# KiCad board DFTBoard.kicad_pcb (continued)
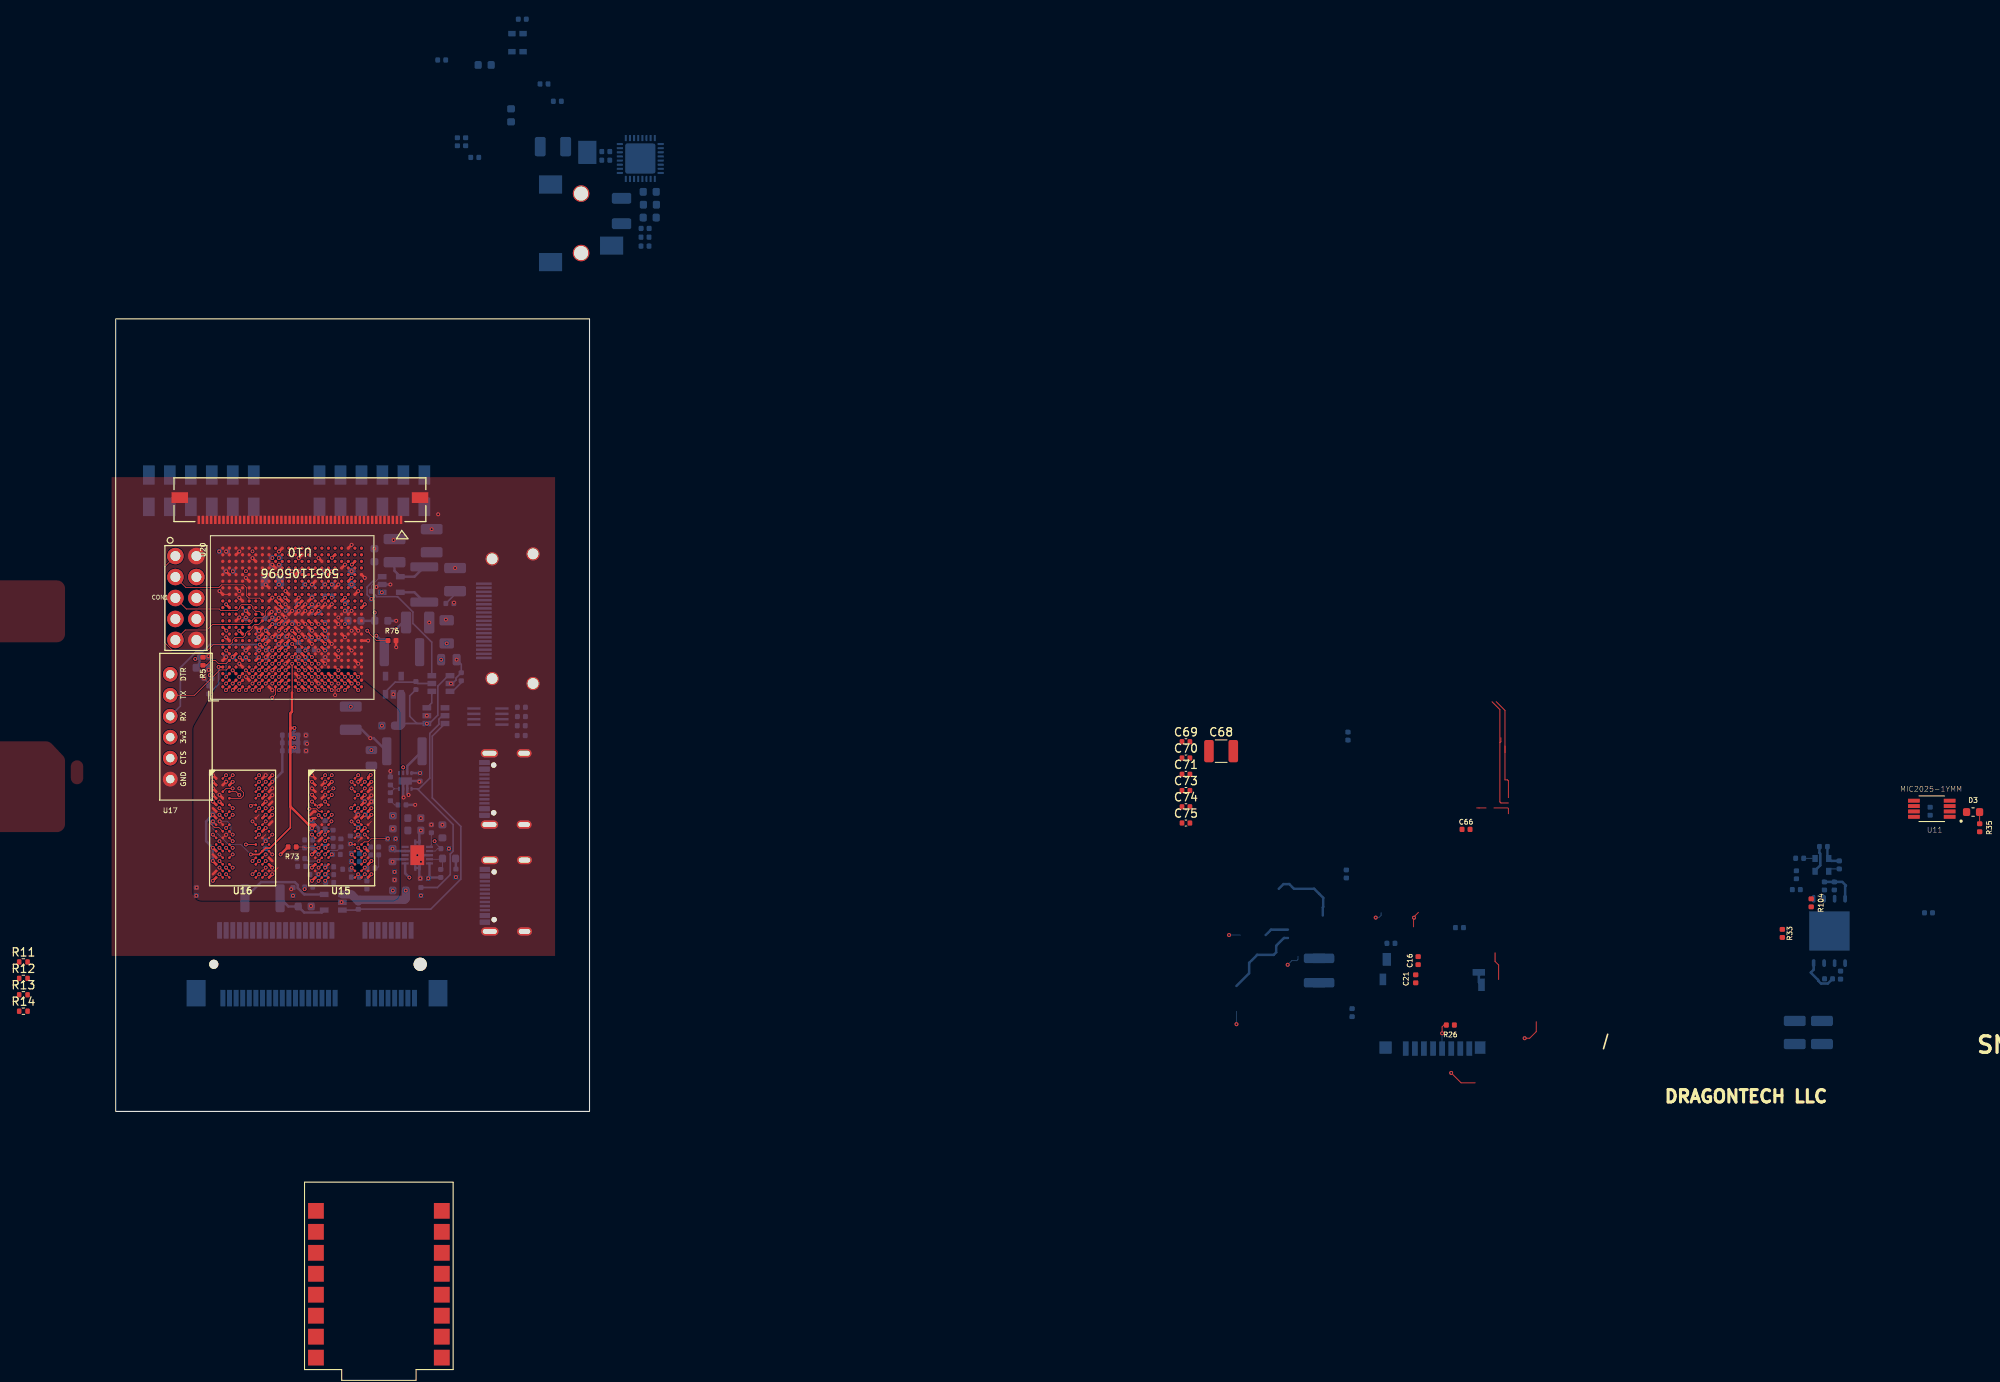
[diagram p0: board, top side]
## Routing (per net, layer and track width the routed paths; a pad name or vN(x,y) marks a point on that pad's centre or on a via; arc(x,y) is an arc through that point) (continued)
DDR3_DQ16: length 18.8
  TOP w0.102: U15.E3 v1(25.37,37.53)
  TOP w0.13: U20.T3 v1(25.37,52.63)
  Signal1 w0.102: v1(25.37,52.63) 24.97,52.23 24.97,50.73 24.72,50.48 24.72,50.38 24.71,50.35 24.7,50.32 24.69,50.29 24.66,50.27 24.64,50.25 24.61,50.24 24.58,50.24 24.56,50.24 24.53,50.23 24.5,50.22 24.47,50.21 24.45,50.18 24.43,50.16 24.42,50.13 24.42,50.1 24.42,49.98 24.42,49.95 24.43,49.92 24.45,49.89 24.47,49.87 24.5,49.85 24.53,49.84 24.56,49.84 24.93,49.84 24.96,49.83 24.99,49.82 25.01,49.81 25.04,49.78 25.05,49.76 25.06,49.73 25.07,49.7 25.07,49.58 25.06,49.55 25.05,49.52 25.04,49.49 25.01,49.47 24.99,49.45 24.96,49.44 24.93,49.44 24.56,49.44 24.53,49.43 24.5,49.42 24.47,49.41 24.45,49.38 24.43,49.36 24.42,49.33 24.42,49.3 24.42,49.18 24.42,49.15 24.43,49.12 24.45,49.09 24.47,49.07 24.5,49.05 24.53,49.04 24.56,49.04 24.93,49.04 24.96,49.03 24.99,49.02 25.01,49.01 25.04,48.98 25.05,48.96 25.06,48.93 25.07,48.9 25.07,48.78 25.06,48.75 25.05,48.72 25.04,48.69 25.01,48.67 24.99,48.65 24.96,48.64 24.93,48.64 24.86,48.64 24.83,48.63 24.8,48.62 24.77,48.61 24.75,48.58 24.73,48.56 24.72,48.53 24.72,48.5 24.72,41.18 24.66,41.12 24.66,38.24 v1(25.37,37.53)
DDR3_DQ17: length 19.5
  TOP w0.102: U15.F7 v1(29.37,36.73)
  TOP w0.13: U20.T1 v1(25.37,51.03)
  Signal1 w0.102: v1(25.37,51.03) 25.37,48.58 25.36,48.55 25.35,48.52 25.34,48.49 25.32,48.47 25.29,48.46 25.26,48.45 25.2,48.44 25.17,48.43 25.15,48.41 25.13,48.39 25.11,48.37 25.1,48.34 25.1,48.31 25.1,48.18 25.1,48.15 25.11,48.12 25.13,48.09 25.15,48.07 25.17,48.06 25.2,48.05 25.26,48.04 25.29,48.03 25.32,48.01 25.34,47.99 25.35,47.97 25.36,47.94 25.37,47.91 25.37,47.78 25.36,47.75 25.35,47.72 25.34,47.69 25.32,47.67 25.29,47.66 25.26,47.65 25.2,47.64 25.17,47.63 25.15,47.61 25.13,47.59 25.11,47.57 25.1,47.54 25.1,47.51 25.1,47.38 25.1,47.35 25.11,47.32 25.13,47.29 25.15,47.27 25.17,47.26 25.2,47.25 25.26,47.24 25.29,47.23 25.32,47.21 25.34,47.19 25.35,47.17 25.36,47.14 25.37,47.11 25.37,41.33 24.97,40.93 24.97,38.93 25.17,38.73 27.71,38.73 29.37,37.07 v1(29.37,36.73)
DDR3_DQ18: length 22
  TOP w0.102: U15.F2 24.64,36.33 24.32,36.65 24.01,36.65 24.01,36.65 v1(23.44,36.65) ; U20.M1 v1(22.17,51.03)
  Signal2 w0.102: v1(22.17,51.03) 22.17,50.08 22.63,49.62 22.63,39.14 22.77,39 22.8,38.98 22.83,38.97 22.86,38.97 22.92,38.97 22.95,38.96 22.98,38.95 23,38.94 23.03,38.91 23.04,38.89 23.05,38.86 23.06,38.83 23.06,38.71 23.05,38.68 23.04,38.65 23.03,38.62 23,38.6 22.98,38.58 22.95,38.57 22.92,38.57 22.52,38.57 22.49,38.56 22.46,38.55 22.43,38.54 22.41,38.51 22.39,38.49 22.38,38.46 22.38,38.43 22.38,38.31 22.38,38.28 22.39,38.25 22.41,38.22 22.43,38.2 22.46,38.18 22.49,38.17 22.52,38.17 22.92,38.17 22.95,38.16 22.98,38.15 23,38.14 23.03,38.11 23.04,38.09 23.05,38.06 23.06,38.03 23.06,37.91 23.05,37.88 23.04,37.85 23.03,37.82 23,37.8 22.98,37.78 22.95,37.77 22.92,37.77 22.52,37.77 22.49,37.76 22.46,37.75 22.43,37.74 22.41,37.71 22.39,37.69 22.38,37.66 22.38,37.63 22.38,37.51 22.38,37.48 22.39,37.45 22.41,37.42 22.43,37.4 22.46,37.38 22.49,37.37 22.52,37.37 22.97,37.37 23,37.36 23.03,37.35 23.05,37.34 23.08,37.31 23.09,37.29 23.1,37.26 23.11,37.23 23.11,37.11 23.1,37.08 23.09,37.05 23.08,37.02 23.05,37 23.03,36.98 23,36.97 22.97,36.97 22.86,36.97 22.83,36.96 22.8,36.95 22.77,36.94 22.75,36.91 22.73,36.89 22.72,36.86 22.72,36.83 22.72,35.78 22.82,35.68 23.07,35.68 23.17,35.78 23.17,36.38 v1(23.44,36.65)
DDR3_DQ19: length 19
  TOP w0.102: U15.F8 v1(30.17,36.73)
  TOP w0.13: U20.T2 v1(25.37,51.83)
  Signal2 w0.102: v1(30.17,36.73) 29.15,37.36 26.32,38.73 26.07,38.78 25.92,38.93 25.77,39.68 25.77,40.73 25.77,40.73 25.77,50.17 25.76,50.18 25.76,51.43 v1(25.37,51.83)
DDR3_DQ20: length 24.1
  TOP w0.102: U15.H3 26.13,35.09
  TOP w0.13: U20.M2 v1(22.17,51.83)
  Signal2 w0.102: v1(26.13,35.13) 26.13,35.09 U15.H3 23.37,34.73 22.07,36.03 22.07,47.75 22.06,47.78 22.05,47.81 22.04,47.83 22.01,47.86 21.99,47.87 21.96,47.88 21.93,47.89 21.72,47.89 21.69,47.89 21.66,47.9 21.63,47.92 21.61,47.94 21.59,47.97 21.58,48 21.58,48.03 21.58,48.15 21.58,48.18 21.59,48.21 21.61,48.23 21.63,48.26 21.66,48.27 21.69,48.28 21.72,48.29 22.27,48.29 22.3,48.29 22.33,48.3 22.35,48.32 22.38,48.34 22.39,48.37 22.4,48.4 22.41,48.43 22.41,48.55 22.4,48.58 22.39,48.61 22.38,48.63 22.35,48.66 22.33,48.67 22.3,48.68 22.27,48.69 21.72,48.69 21.69,48.69 21.66,48.7 21.63,48.72 21.61,48.74 21.59,48.77 21.58,48.8 21.58,48.83 21.58,48.95 21.58,48.98 21.59,49.01 21.61,49.03 21.63,49.06 21.66,49.07 21.69,49.08 21.72,49.09 21.93,49.09 21.96,49.09 21.99,49.1 22.01,49.12 22.04,49.14 22.05,49.17 22.06,49.2 22.07,49.23 22.07,49.58 21.77,49.87 21.77,51.43 v1(22.17,51.83)
DDR3_DQ21: length 21.5
  TOP w0.102: U15.H8 v1(29.37,35.13)
  TOP w0.13: U20.R1 v1(24.57,51.03)
  Signal1 w0.102: v1(29.37,35.13) 28.97,35.53 28.97,36.86 28.71,37.12 28.33,37.12 28.29,37.08 25.22,37.08 24.17,38.13 24.17,38.56 24.16,38.57 24.16,50.62 v1(24.57,51.03)
DDR3_DQ22: length 23.6
  TOP w0.102: v1(24.57,35.88) 24.92,35.53
  TOP w0.13: U20.N3 v1(22.97,52.63)
  Signal2 w0.102: v1(24.57,35.88) 24.91,35.53 25.28,35.53 25.4,35.42 25.4,35.17 25.26,35.03 24.32,35.03 24.06,35.28 24.06,36.02 23.91,36.16 23.91,36.77 23.36,37.32 23.36,41.6 23.66,41.9 23.66,45.48 23.32,45.82 23.32,48 23.31,48.03 23.3,48.06 23.29,48.08 23.26,48.11 23.24,48.12 23.21,48.13 23.18,48.14 23.16,48.14 23.13,48.14 23.1,48.15 23.08,48.17 23.05,48.19 23.04,48.22 23.03,48.25 23.02,48.28 23.02,48.4 23.03,48.43 23.04,48.46 23.05,48.48 23.08,48.51 23.1,48.52 23.13,48.53 23.16,48.54 23.52,48.54 23.55,48.54 23.58,48.55 23.61,48.57 23.63,48.59 23.65,48.62 23.66,48.65 23.66,48.68 23.66,48.8 23.66,48.83 23.65,48.86 23.63,48.88 23.61,48.91 23.58,48.92 23.55,48.93 23.52,48.94 23.16,48.94 23.13,48.94 23.1,48.95 23.08,48.97 23.05,48.99 23.04,49.02 23.03,49.05 23.02,49.08 23.02,49.2 23.03,49.23 23.04,49.26 23.05,49.28 23.08,49.31 23.1,49.32 23.13,49.33 23.16,49.34 23.18,49.34 23.21,49.34 23.24,49.35 23.26,49.37 23.29,49.39 23.3,49.42 23.31,49.45 23.32,49.48 23.32,49.93 22.57,50.68 22.57,52.23 v1(22.97,52.63)
DDR3_DQ23: length 23
  TOP w0.102: 28.95,34.73 v1(28.56,35.12)
  TOP w0.13: U20.R3 v1(24.57,52.63)
  Signal2 w0.102: v1(28.56,35.12) 28.56,35.72 26.35,37.93 25.99,37.93 25.77,38.15 25.77,38.52 25.49,38.8 25.19,38.8 24.96,39.03 24.96,48.35 24.96,48.39 24.95,48.42 24.93,48.44 24.91,48.46 24.88,48.48 24.85,48.49 24.82,48.49 24.65,48.49 24.62,48.5 24.59,48.51 24.56,48.53 24.54,48.55 24.52,48.57 24.51,48.6 24.51,48.63 24.51,48.75 24.51,48.79 24.52,48.82 24.54,48.84 24.56,48.86 24.59,48.88 24.62,48.89 24.65,48.89 25.32,48.89 25.35,48.9 25.38,48.91 25.41,48.93 25.43,48.95 25.45,48.97 25.46,49 25.46,49.03 25.46,49.15 25.46,49.19 25.45,49.22 25.43,49.24 25.41,49.26 25.38,49.28 25.35,49.29 25.32,49.29 24.65,49.29 24.62,49.3 24.59,49.31 24.56,49.33 24.54,49.35 24.52,49.37 24.51,49.4 24.51,49.43 24.51,49.55 24.51,49.59 24.52,49.62 24.54,49.64 24.56,49.66 24.59,49.68 24.62,49.69 24.65,49.69 24.82,49.69 24.85,49.7 24.88,49.71 24.91,49.73 24.93,49.75 24.95,49.77 24.96,49.8 24.96,49.83 24.96,52.23 v1(24.57,52.63)
DDR3_DQ24: length 17.3
  TOP w0.102: U15.D7 v1(29.37,38.33)
  TOP w0.13: U20.AA3 v1(29.37,52.63)
  Signal3 w0.102: v1(29.37,52.63) 29.76,52.23 29.76,51.93 29.77,51.93 29.77,50.28 29.76,50.23 29.75,50.19 29.72,50.15 29.69,50.12 29.65,50.09 29.61,50.08 29.52,50.07 29.48,50.05 29.44,50.03 29.4,50 29.38,49.96 29.36,49.91 29.36,49.87 29.36,49.78 29.36,49.73 29.38,49.69 29.4,49.65 29.44,49.62 29.48,49.59 29.52,49.58 29.61,49.57 29.65,49.55 29.69,49.53 29.72,49.5 29.75,49.46 29.76,49.41 29.77,49.37 29.77,41.13 30.57,40.33 30.57,38.9 30.39,38.73 29.77,38.73 v1(29.37,38.33)
DDR3_DQ25: length 20.8
  TOP w0.102: U15.C3 v1(26.37,39.13)
  TOP w0.13: U20.Y1 v1(27.77,51.03)
  Signal2 w0.102: v1(27.77,51.03) 28.19,50.6 28.19,50.58 29.08,49.69 29.08,46.77 28.97,46.65 28.97,45.43 28.96,45.4 28.95,45.37 28.94,45.34 28.91,45.32 28.89,45.3 28.86,45.29 28.83,45.29 28.61,45.29 28.58,45.28 28.55,45.27 28.53,45.26 28.5,45.23 28.49,45.21 28.48,45.18 28.47,45.15 28.47,45.03 28.48,45 28.49,44.97 28.5,44.94 28.53,44.92 28.55,44.9 28.58,44.89 28.61,44.89 29.32,44.89 29.35,44.88 29.38,44.87 29.41,44.86 29.43,44.83 29.45,44.81 29.46,44.78 29.46,44.75 29.46,44.63 29.46,44.6 29.45,44.57 29.43,44.54 29.41,44.52 29.38,44.5 29.35,44.49 29.32,44.49 28.61,44.49 28.58,44.48 28.55,44.47 28.53,44.46 28.5,44.43 28.49,44.41 28.48,44.38 28.47,44.35 28.47,44.23 28.48,44.2 28.49,44.17 28.5,44.14 28.53,44.12 28.55,44.1 28.58,44.09 28.61,44.09 29.32,44.09 29.35,44.08 29.38,44.07 29.41,44.06 29.43,44.03 29.45,44.01 29.46,43.98 29.46,43.95 29.46,43.83 29.46,43.8 29.45,43.77 29.43,43.74 29.41,43.72 29.38,43.7 29.35,43.69 29.32,43.69 28.61,43.69 28.58,43.68 28.55,43.67 28.53,43.66 28.5,43.63 28.49,43.61 28.48,43.58 28.47,43.55 28.47,43.43 28.48,43.4 28.49,43.37 28.5,43.34 28.53,43.32 28.55,43.3 28.58,43.29 28.61,43.29 29.32,43.29 29.35,43.28 29.38,43.27 29.41,43.26 29.43,43.23 29.45,43.21 29.46,43.18 29.46,43.15 29.46,43.03 29.46,43 29.45,42.97 29.43,42.94 29.41,42.92 29.38,42.9 29.35,42.89 29.32,42.89 28.61,42.89 28.58,42.88 28.55,42.87 28.53,42.86 28.5,42.83 28.49,42.81 28.48,42.78 28.47,42.75 28.47,42.63 28.48,42.6 28.49,42.57 28.5,42.54 28.53,42.52 28.55,42.5 28.58,42.49 28.61,42.49 28.83,42.49 28.86,42.48 28.89,42.47 28.91,42.46 28.94,42.43 28.95,42.41 28.96,42.38 28.97,42.35 28.97,41.73 v1(26.37,39.13)
DDR3_DQ26: length 16.8
  TOP w0.102: U15.C8 v1(30.17,39.13)
  TOP w0.13: U20.Y3 v1(28.57,52.63)
  Signal2 w0.102: v1(28.57,52.63) 28.57,52.29 28.64,52.22 28.76,52.22 28.97,52.01 28.97,51.65 29.19,51.43 29.77,51.43 31.42,49.78 31.42,42.48 31.13,42.19 31.12,42.19 30.49,41.56 30.49,40.56 30.56,40.49 30.56,39.53 30.57,39.53 v1(30.17,39.13)
DDR3_DQ27: length 19.9
  TOP w0.102: U15.C2 25.37,39.13 v1(25.37,39.2)
  TOP w0.13: U20.W1 v1(26.97,51.03)
  Signal1 w0.102: v1(25.37,39.2) 25.71,39.53 26.47,39.53 26.97,40.03 26.97,42.7 26.96,42.73 26.95,42.76 26.94,42.78 26.91,42.81 26.89,42.82 26.86,42.83 26.83,42.84 26.63,42.84 26.6,42.84 26.57,42.85 26.54,42.87 26.52,42.89 26.5,42.92 26.49,42.95 26.49,42.98 26.49,43.1 26.49,43.13 26.5,43.16 26.52,43.18 26.54,43.21 26.57,43.22 26.6,43.23 26.63,43.24 27.31,43.24 27.34,43.24 27.37,43.25 27.4,43.27 27.42,43.29 27.43,43.32 27.44,43.35 27.45,43.38 27.45,43.5 27.44,43.53 27.43,43.56 27.42,43.58 27.4,43.61 27.37,43.62 27.34,43.63 27.31,43.64 26.63,43.64 26.6,43.64 26.57,43.65 26.54,43.67 26.52,43.69 26.5,43.72 26.49,43.75 26.49,43.78 26.49,43.9 26.49,43.93 26.5,43.96 26.52,43.98 26.54,44.01 26.57,44.02 26.6,44.03 26.63,44.04 27.31,44.04 27.34,44.04 27.37,44.05 27.4,44.07 27.42,44.09 27.43,44.12 27.44,44.15 27.45,44.18 27.45,44.3 27.44,44.33 27.43,44.36 27.42,44.38 27.4,44.41 27.37,44.42 27.34,44.43 27.31,44.44 26.63,44.44 26.6,44.44 26.57,44.45 26.54,44.47 26.52,44.49 26.5,44.52 26.49,44.55 26.49,44.58 26.49,44.7 26.49,44.73 26.5,44.76 26.52,44.78 26.54,44.81 26.57,44.82 26.6,44.83 26.63,44.84 27.31,44.84 27.34,44.84 27.37,44.85 27.4,44.87 27.42,44.89 27.43,44.92 27.44,44.95 27.45,44.98 27.45,45.1 27.44,45.13 27.43,45.16 27.42,45.18 27.4,45.21 27.37,45.22 27.34,45.23 27.31,45.24 26.63,45.24 26.6,45.24 26.57,45.25 26.54,45.27 26.52,45.29 26.5,45.32 26.49,45.35 26.49,45.38 26.49,45.5 26.49,45.53 26.5,45.56 26.52,45.58 26.54,45.61 26.57,45.62 26.6,45.63 26.63,45.64 26.83,45.64 26.86,45.64 26.89,45.65 26.91,45.67 26.94,45.69 26.95,45.72 26.96,45.75 26.97,45.78 v1(26.97,51.03)
DDR3_DQ28: length 21.4
  TOP w0.102: U15.A7 v1(29.37,40.73)
  TOP w0.13: U20.AA1 v1(29.37,51.03)
  Signal2 w0.102: v1(29.37,51.03) 30.22,50.18 30.22,49.83 30.21,49.8 30.2,49.77 30.19,49.74 30.16,49.72 30.14,49.7 30.11,49.69 30.08,49.69 29.87,49.69 29.84,49.68 29.81,49.67 29.78,49.66 29.76,49.63 29.75,49.61 29.74,49.58 29.73,49.55 29.73,49.43 29.74,49.4 29.75,49.37 29.76,49.34 29.78,49.32 29.81,49.3 29.84,49.29 29.87,49.29 30.56,49.29 30.59,49.28 30.62,49.27 30.65,49.26 30.67,49.23 30.69,49.21 30.7,49.18 30.7,49.15 30.7,49.03 30.7,49 30.69,48.97 30.67,48.94 30.65,48.92 30.62,48.9 30.59,48.89 30.56,48.89 29.87,48.89 29.84,48.88 29.81,48.87 29.78,48.86 29.76,48.83 29.75,48.81 29.74,48.78 29.73,48.75 29.73,48.63 29.74,48.6 29.75,48.57 29.76,48.54 29.78,48.52 29.81,48.5 29.84,48.49 29.87,48.49 30.56,48.49 30.59,48.48 30.62,48.47 30.65,48.46 30.67,48.43 30.69,48.41 30.7,48.38 30.7,48.35 30.7,48.23 30.7,48.2 30.69,48.17 30.67,48.14 30.65,48.12 30.62,48.1 30.59,48.09 30.56,48.09 29.87,48.09 29.84,48.08 29.81,48.07 29.78,48.06 29.76,48.03 29.75,48.01 29.74,47.98 29.73,47.95 29.73,47.83 29.74,47.8 29.75,47.77 29.76,47.74 29.78,47.72 29.81,47.7 29.84,47.69 29.87,47.69 30.56,47.69 30.59,47.68 30.62,47.67 30.65,47.66 30.67,47.63 30.69,47.61 30.7,47.58 30.7,47.55 30.7,47.43 30.7,47.4 30.69,47.37 30.67,47.34 30.65,47.32 30.62,47.3 30.59,47.29 30.56,47.29 29.87,47.29 29.84,47.28 29.81,47.27 29.78,47.26 29.76,47.23 29.75,47.21 29.74,47.18 29.73,47.15 29.73,47.03 29.74,47 29.75,46.97 29.76,46.94 29.78,46.92 29.81,46.9 29.84,46.89 29.87,46.89 30.56,46.89 30.59,46.88 30.62,46.87 30.65,46.86 30.67,46.83 30.69,46.81 30.7,46.78 30.7,46.75 30.7,46.63 30.7,46.6 30.69,46.57 30.67,46.54 30.65,46.52 30.62,46.5 30.59,46.49 30.56,46.49 29.87,46.49 29.84,46.48 29.81,46.47 29.78,46.46 29.76,46.43 29.75,46.41 29.74,46.38 29.73,46.35 29.73,46.23 29.74,46.2 29.75,46.17 29.76,46.14 29.78,46.12 29.81,46.1 29.84,46.09 29.87,46.09 30.56,46.09 30.59,46.08 30.62,46.07 30.65,46.06 30.67,46.03 30.69,46.01 30.7,45.98 30.7,45.95 30.7,45.83 30.7,45.8 30.69,45.77 30.67,45.74 30.65,45.72 30.62,45.7 30.59,45.69 30.56,45.69 29.87,45.69 29.84,45.68 29.81,45.67 29.78,45.66 29.76,45.63 29.75,45.61 29.74,45.58 29.73,45.55 29.73,45.43 29.74,45.4 29.75,45.37 29.76,45.34 29.78,45.32 29.81,45.3 29.84,45.29 29.87,45.29 30.08,45.29 30.11,45.28 30.14,45.27 30.16,45.26 30.19,45.23 30.2,45.21 30.21,45.18 30.22,45.15 30.22,41.58 v1(29.37,40.73)
DDR3_DQ29: length 20.7
  TOP w0.102: U15.A2 v1(25.37,40.73)
  TOP w0.13: U20.U1 v1(26.17,51.03)
  Signal1 w0.102: v1(26.17,51.03) 26.17,50.08 26.16,50.05 26.15,50.02 26.14,49.99 26.11,49.97 26.09,49.95 26.06,49.94 26.03,49.94 25.84,49.94 25.8,49.93 25.77,49.92 25.75,49.91 25.73,49.88 25.71,49.86 25.7,49.83 25.7,49.8 25.7,49.68 25.7,49.65 25.71,49.62 25.73,49.59 25.75,49.57 25.77,49.55 25.8,49.54 25.84,49.54 26.5,49.54 26.53,49.53 26.56,49.52 26.59,49.51 26.61,49.48 26.63,49.46 26.64,49.43 26.64,49.4 26.64,49.28 26.64,49.25 26.63,49.22 26.61,49.19 26.59,49.17 26.56,49.15 26.53,49.14 26.5,49.14 25.84,49.14 25.8,49.13 25.77,49.12 25.75,49.11 25.73,49.08 25.71,49.06 25.7,49.03 25.7,49 25.7,48.88 25.7,48.85 25.71,48.82 25.73,48.79 25.75,48.77 25.77,48.75 25.8,48.74 25.84,48.74 26.5,48.74 26.53,48.73 26.56,48.72 26.59,48.71 26.61,48.68 26.63,48.66 26.64,48.63 26.64,48.6 26.64,48.48 26.64,48.45 26.63,48.42 26.61,48.39 26.59,48.37 26.56,48.35 26.53,48.34 26.5,48.34 25.84,48.34 25.8,48.33 25.77,48.32 25.75,48.31 25.73,48.28 25.71,48.26 25.7,48.23 25.7,48.2 25.7,48.08 25.7,48.05 25.71,48.02 25.73,47.99 25.75,47.97 25.77,47.95 25.8,47.94 25.84,47.94 26.5,47.94 26.53,47.93 26.56,47.92 26.59,47.91 26.61,47.88 26.63,47.86 26.64,47.83 26.64,47.8 26.64,47.68 26.64,47.65 26.63,47.62 26.61,47.59 26.59,47.57 26.56,47.55 26.53,47.54 26.5,47.54 25.84,47.54 25.8,47.53 25.77,47.52 25.75,47.51 25.73,47.48 25.71,47.46 25.7,47.43 25.7,47.4 25.7,47.28 25.7,47.25 25.71,47.22 25.73,47.19 25.75,47.17 25.77,47.15 25.8,47.14 25.84,47.14 26.5,47.14 26.53,47.13 26.56,47.12 26.59,47.11 26.61,47.08 26.63,47.06 26.64,47.03 26.64,47 26.64,46.88 26.64,46.85 26.63,46.82 26.61,46.79 26.59,46.77 26.56,46.75 26.53,46.74 26.5,46.74 25.84,46.74 25.8,46.73 25.77,46.72 25.75,46.71 25.73,46.68 25.71,46.66 25.7,46.63 25.7,46.6 25.7,46.48 25.7,46.45 25.71,46.42 25.73,46.39 25.75,46.37 25.77,46.35 25.8,46.34 25.84,46.34 26.5,46.34 26.53,46.33 26.56,46.32 26.59,46.31 26.61,46.28 26.63,46.26 26.64,46.23 26.64,46.2 26.64,46.08 26.64,46.05 26.63,46.02 26.61,45.99 26.59,45.97 26.56,45.95 26.53,45.94 26.5,45.94 25.84,45.94 25.8,45.93 25.77,45.92 25.75,45.91 25.73,45.88 25.71,45.86 25.7,45.83 25.7,45.8 25.7,45.68 25.7,45.65 25.71,45.62 25.73,45.59 25.75,45.57 25.77,45.55 25.8,45.54 25.84,45.54 26.03,45.54 26.06,45.53 26.09,45.52 26.11,45.51 26.14,45.48 26.15,45.46 26.16,45.43 26.17,45.4 26.17,41.53 v1(25.37,40.73)
DDR3_DQ30: length 16.8
  TOP w0.102: U15.B8 v1(30.17,39.93)
  TOP w0.13: U20.W3 v1(27.77,52.63)
  Signal1 w0.102: v1(30.17,39.93) 30.17,41.4 29.64,41.93 29.64,43.05 29.65,43.1 29.66,43.14 29.68,43.17 29.72,43.2 29.75,43.23 29.79,43.24 29.88,43.25 29.92,43.27 29.96,43.29 29.99,43.32 30.01,43.36 30.03,43.4 30.03,43.44 30.03,43.45 30.03,43.5 30.01,43.54 29.99,43.57 29.96,43.6 29.92,43.63 29.88,43.64 29.84,43.65 29.64,43.65 29.64,43.65 29.45,43.65 29.41,43.66 29.36,43.67 29.33,43.69 29.3,43.73 29.27,43.76 29.26,43.8 29.25,43.85 29.25,43.86 29.26,43.9 29.27,43.94 29.3,43.98 29.33,44.01 29.36,44.03 29.41,44.05 29.45,44.05 29.84,44.05 29.88,44.06 29.92,44.07 29.96,44.09 29.99,44.13 30.01,44.16 30.03,44.2 30.03,44.25 30.03,44.26 30.03,44.3 30.01,44.34 29.99,44.38 29.96,44.41 29.92,44.43 29.88,44.45 29.79,44.46 29.75,44.47 29.72,44.49 29.68,44.53 29.66,44.56 29.65,44.6 29.64,44.65 29.64,49.88 28.97,50.55 28.97,52.01 28.75,52.23 28.17,52.23 v1(27.77,52.63)
DDR3_DQ31: length 21.1
  TOP w0.102: U15.A3 v1(26.17,40.73)
  TOP w0.13: U20.U2 v1(26.17,51.83)
  Signal2 w0.102: v1(26.17,40.73) 27.37,41.93 27.37,46.5 27.36,46.53 27.35,46.56 27.34,46.58 27.31,46.61 27.29,46.62 27.26,46.63 27.23,46.64 27.02,46.64 26.99,46.64 26.96,46.65 26.94,46.67 26.91,46.69 26.9,46.72 26.89,46.75 26.88,46.78 26.88,46.9 26.89,46.93 26.9,46.96 26.91,46.98 26.94,47.01 26.96,47.02 26.99,47.03 27.02,47.04 27.71,47.04 27.74,47.04 27.77,47.05 27.8,47.07 27.82,47.09 27.84,47.12 27.85,47.15 27.85,47.18 27.85,47.3 27.85,47.33 27.84,47.36 27.82,47.38 27.8,47.41 27.77,47.42 27.74,47.43 27.71,47.44 27.02,47.44 26.99,47.44 26.96,47.45 26.94,47.47 26.91,47.49 26.9,47.52 26.89,47.55 26.88,47.58 26.88,47.7 26.89,47.73 26.9,47.76 26.91,47.78 26.94,47.81 26.96,47.82 26.99,47.83 27.02,47.84 27.71,47.84 27.74,47.84 27.77,47.85 27.8,47.87 27.82,47.89 27.84,47.92 27.85,47.95 27.85,47.98 27.85,48.1 27.85,48.13 27.84,48.16 27.82,48.18 27.8,48.21 27.77,48.22 27.74,48.23 27.71,48.24 27.02,48.24 26.99,48.24 26.96,48.25 26.94,48.27 26.91,48.29 26.9,48.32 26.89,48.35 26.88,48.38 26.88,48.5 26.89,48.53 26.9,48.56 26.91,48.58 26.94,48.61 26.96,48.62 26.99,48.63 27.02,48.64 27.71,48.64 27.74,48.64 27.77,48.65 27.8,48.67 27.82,48.69 27.84,48.72 27.85,48.75 27.85,48.78 27.85,48.9 27.85,48.93 27.84,48.96 27.82,48.98 27.8,49.01 27.77,49.02 27.74,49.03 27.71,49.04 27.02,49.04 26.99,49.04 26.96,49.05 26.94,49.07 26.91,49.09 26.9,49.12 26.89,49.15 26.88,49.18 26.88,49.3 26.89,49.33 26.9,49.36 26.91,49.38 26.94,49.41 26.96,49.42 26.99,49.43 27.02,49.44 27.71,49.44 27.74,49.44 27.77,49.45 27.8,49.47 27.82,49.49 27.84,49.52 27.85,49.55 27.85,49.58 27.85,49.7 27.85,49.73 27.84,49.76 27.82,49.78 27.8,49.81 27.77,49.82 27.74,49.83 27.71,49.84 27.02,49.84 26.99,49.84 26.96,49.85 26.94,49.87 26.91,49.89 26.9,49.92 26.89,49.95 26.88,49.98 26.88,50.1 26.89,50.13 26.9,50.16 26.91,50.18 26.94,50.21 26.96,50.22 26.99,50.23 27.02,50.24 27.23,50.24 27.26,50.24 27.29,50.25 27.31,50.27 27.34,50.29 27.35,50.32 27.36,50.35 27.37,50.38 27.37,51.28 27.22,51.43 26.57,51.43 v1(26.17,51.83)
DDR3_DQS0_N: length 31.7
  TOP w0.102: U16.G3 v1(14.17,35.93)
  TOP w0.13: U20.D2 v1(14.97,51.83)
  Signal2 w0.102: v1(14.17,35.93) 14.42,35.93 14.46,35.97 14.46,36.15 14.28,36.33 13.97,36.33 12.97,37.33 12.97,37.73 12.77,37.93 11.26,37.93 10.94,38.25 10.94,42.48 10.94,42.52 10.96,42.56 10.98,42.6 11.01,42.63 11.05,42.65 11.09,42.66 11.13,42.67 11.31,42.67 11.4,42.68 11.48,42.71 11.55,42.75 11.61,42.81 11.66,42.89 11.69,42.97 11.7,43.05 11.7,43.1 11.69,43.19 11.66,43.27 11.61,43.34 11.55,43.4 11.48,43.45 11.4,43.48 11.31,43.49 11.13,43.49 11.09,43.49 11.05,43.51 11.01,43.53 10.98,43.56 10.96,43.6 10.94,43.64 10.94,43.68 10.94,43.72 10.96,43.76 10.98,43.8 11.01,43.83 11.05,43.85 11.09,43.86 11.13,43.87 11.36,43.87 11.45,43.88 11.53,43.91 11.6,43.95 11.66,44.01 11.71,44.09 11.74,44.17 11.75,44.25 11.75,44.3 11.74,44.39 11.71,44.47 11.66,44.54 11.6,44.6 11.53,44.65 11.45,44.68 11.36,44.69 11.13,44.69 11.09,44.69 11.05,44.71 11.01,44.73 10.98,44.76 10.96,44.8 10.94,44.84 10.94,44.88 10.94,44.92 10.96,44.96 10.98,45 11.01,45.03 11.05,45.05 11.09,45.06 11.13,45.07 11.36,45.07 11.45,45.08 11.53,45.11 11.6,45.15 11.66,45.21 11.71,45.29 11.74,45.37 11.75,45.45 11.75,45.5 11.74,45.59 11.71,45.67 11.66,45.74 11.6,45.8 11.53,45.85 11.45,45.88 11.36,45.89 11.13,45.89 11.09,45.89 11.05,45.91 11.01,45.93 10.98,45.96 10.96,46 10.94,46.04 10.94,46.08 10.94,46.12 10.96,46.16 10.98,46.2 11.01,46.23 11.05,46.25 11.09,46.26 11.13,46.27 11.36,46.27 11.45,46.28 11.53,46.31 11.6,46.35 11.66,46.41 11.71,46.49 11.74,46.57 11.75,46.65 11.75,46.7 11.74,46.79 11.71,46.87 11.66,46.94 11.6,47 11.53,47.05 11.45,47.08 11.36,47.09 11.13,47.09 11.09,47.09 11.05,47.11 11.01,47.13 10.98,47.16 10.96,47.2 10.94,47.24 10.94,47.28 10.94,47.4 11.36,47.82 11.42,47.89 11.45,47.97 11.47,48.05 11.47,48.13 11.45,48.22 11.42,48.29 11.36,48.36 11.1,48.62 11.07,48.66 11.05,48.7 11.04,48.74 11.04,48.79 11.05,48.83 11.07,48.87 11.1,48.9 11.13,48.93 11.17,48.95 11.22,48.96 11.26,48.96 11.3,48.95 11.34,48.93 11.38,48.9 12.14,48.14 12.21,48.09 12.28,48.05 12.36,48.03 12.45,48.03 12.53,48.05 12.61,48.09 12.67,48.14 12.71,48.17 12.76,48.24 12.8,48.32 12.82,48.4 12.82,48.48 12.8,48.57 12.76,48.64 12.71,48.71 11.95,49.47 11.92,49.51 11.9,49.55 11.89,49.59 11.89,49.63 11.9,49.68 11.92,49.72 11.95,49.75 11.98,49.78 12.02,49.8 12.06,49.81 12.11,49.81 12.15,49.8 12.19,49.78 12.23,49.75 12.99,48.99 13.05,48.94 13.13,48.9 13.21,48.88 13.3,48.88 13.38,48.9 13.46,48.94 13.52,48.99 13.56,49.02 13.61,49.09 13.65,49.17 13.66,49.25 13.66,49.33 13.65,49.42 13.61,49.49 13.56,49.56 13.47,49.65 13.44,49.68 13.42,49.72 13.41,49.77 13.41,49.81 13.42,49.85 13.44,49.89 13.47,49.93 13.54,50 14.36,50 14.58,50.22 14.58,51.44 v1(14.97,51.83)
DDR3_DQS0_P: length 32.1
  TOP w0.102: U16.F3 v1(13.37,35.93)
  TOP w0.13: U20.C2 v1(14.17,51.83)
  Signal2 w0.102: v1(14.17,51.83) 14.17,51.75 13.79,51.38 13.79,50.84 14,50.63 14.22,50.63 14.32,50.53 14.32,50.38 14.15,50.21 13.46,50.21 13.31,50.06 13.25,49.99 13.22,49.91 13.2,49.83 13.2,49.75 13.22,49.66 13.25,49.59 13.31,49.52 13.4,49.43 13.42,49.4 13.44,49.36 13.45,49.31 13.45,49.27 13.44,49.23 13.42,49.19 13.4,49.15 13.36,49.12 13.32,49.1 13.28,49.09 13.23,49.09 13.19,49.1 13.15,49.12 13.12,49.15 12.35,49.91 12.29,49.97 12.21,50 12.13,50.02 12.04,50.02 11.96,50 11.88,49.97 11.82,49.91 11.79,49.88 11.73,49.81 11.7,49.74 11.68,49.65 11.68,49.57 11.7,49.49 11.73,49.41 11.79,49.34 12.55,48.58 12.57,48.55 12.59,48.51 12.6,48.46 12.6,48.42 12.59,48.38 12.57,48.34 12.55,48.3 12.51,48.27 12.47,48.26 12.43,48.25 12.38,48.25 12.34,48.26 12.3,48.27 12.27,48.3 11.51,49.06 11.44,49.12 11.36,49.15 11.28,49.17 11.19,49.17 11.11,49.15 11.04,49.12 10.97,49.06 10.94,49.03 10.88,48.97 10.85,48.89 10.83,48.81 10.83,48.72 10.85,48.64 10.88,48.56 10.94,48.5 11.2,48.23 11.23,48.2 11.25,48.16 11.26,48.11 11.26,48.07 11.25,48.03 11.23,47.99 11.2,47.95 10.72,47.47 10.72,47.25 10.73,47.17 10.76,47.09 10.8,47.01 10.86,46.95 10.94,46.91 11.02,46.88 11.1,46.87 11.34,46.87 11.38,46.86 11.42,46.85 11.46,46.83 11.49,46.8 11.51,46.76 11.52,46.72 11.53,46.68 11.52,46.64 11.51,46.6 11.49,46.56 11.46,46.53 11.42,46.51 11.38,46.49 11.34,46.49 11.1,46.49 11.02,46.48 10.94,46.45 10.86,46.4 10.8,46.34 10.76,46.27 10.73,46.19 10.72,46.1 10.72,46.05 10.73,45.97 10.76,45.89 10.8,45.81 10.86,45.75 10.94,45.71 11.02,45.68 11.1,45.67 11.34,45.67 11.38,45.66 11.42,45.65 11.46,45.63 11.49,45.6 11.51,45.56 11.52,45.52 11.53,45.48 11.52,45.44 11.51,45.4 11.49,45.36 11.46,45.33 11.42,45.31 11.38,45.29 11.34,45.29 11.1,45.29 11.02,45.28 10.94,45.25 10.86,45.2 10.8,45.14 10.76,45.07 10.73,44.99 10.72,44.9 10.72,44.85 10.73,44.77 10.76,44.69 10.8,44.61 10.86,44.55 10.94,44.51 11.02,44.48 11.1,44.47 11.34,44.47 11.38,44.46 11.42,44.45 11.46,44.43 11.49,44.4 11.51,44.36 11.52,44.32 11.53,44.28 11.52,44.24 11.51,44.2 11.49,44.16 11.46,44.13 11.42,44.11 11.38,44.09 11.34,44.09 11.1,44.09 11.02,44.08 10.94,44.05 10.86,44 10.8,43.94 10.76,43.87 10.73,43.79 10.72,43.7 10.72,43.65 10.73,43.57 10.76,43.49 10.8,43.41 10.86,43.35 10.94,43.31 11.02,43.28 11.1,43.27 11.29,43.27 11.33,43.26 11.37,43.25 11.41,43.23 11.44,43.2 11.46,43.16 11.47,43.12 11.48,43.08 11.47,43.04 11.46,43 11.44,42.96 11.41,42.93 11.37,42.91 11.33,42.89 11.29,42.89 11.1,42.89 11.02,42.88 10.94,42.85 10.86,42.8 10.8,42.74 10.76,42.67 10.73,42.59 10.72,42.5 10.72,41.46 10.73,41.44 10.73,37.19 10.79,37.13 12.77,37.13 13.27,36.63 13.27,36.44 12.96,36.13 12.96,35.83 13.07,35.73 13.17,35.73 v1(13.37,35.93)
